# Altium PCB Carte_Alim_2020.PcbDoc (part 1 of 2) (continued)
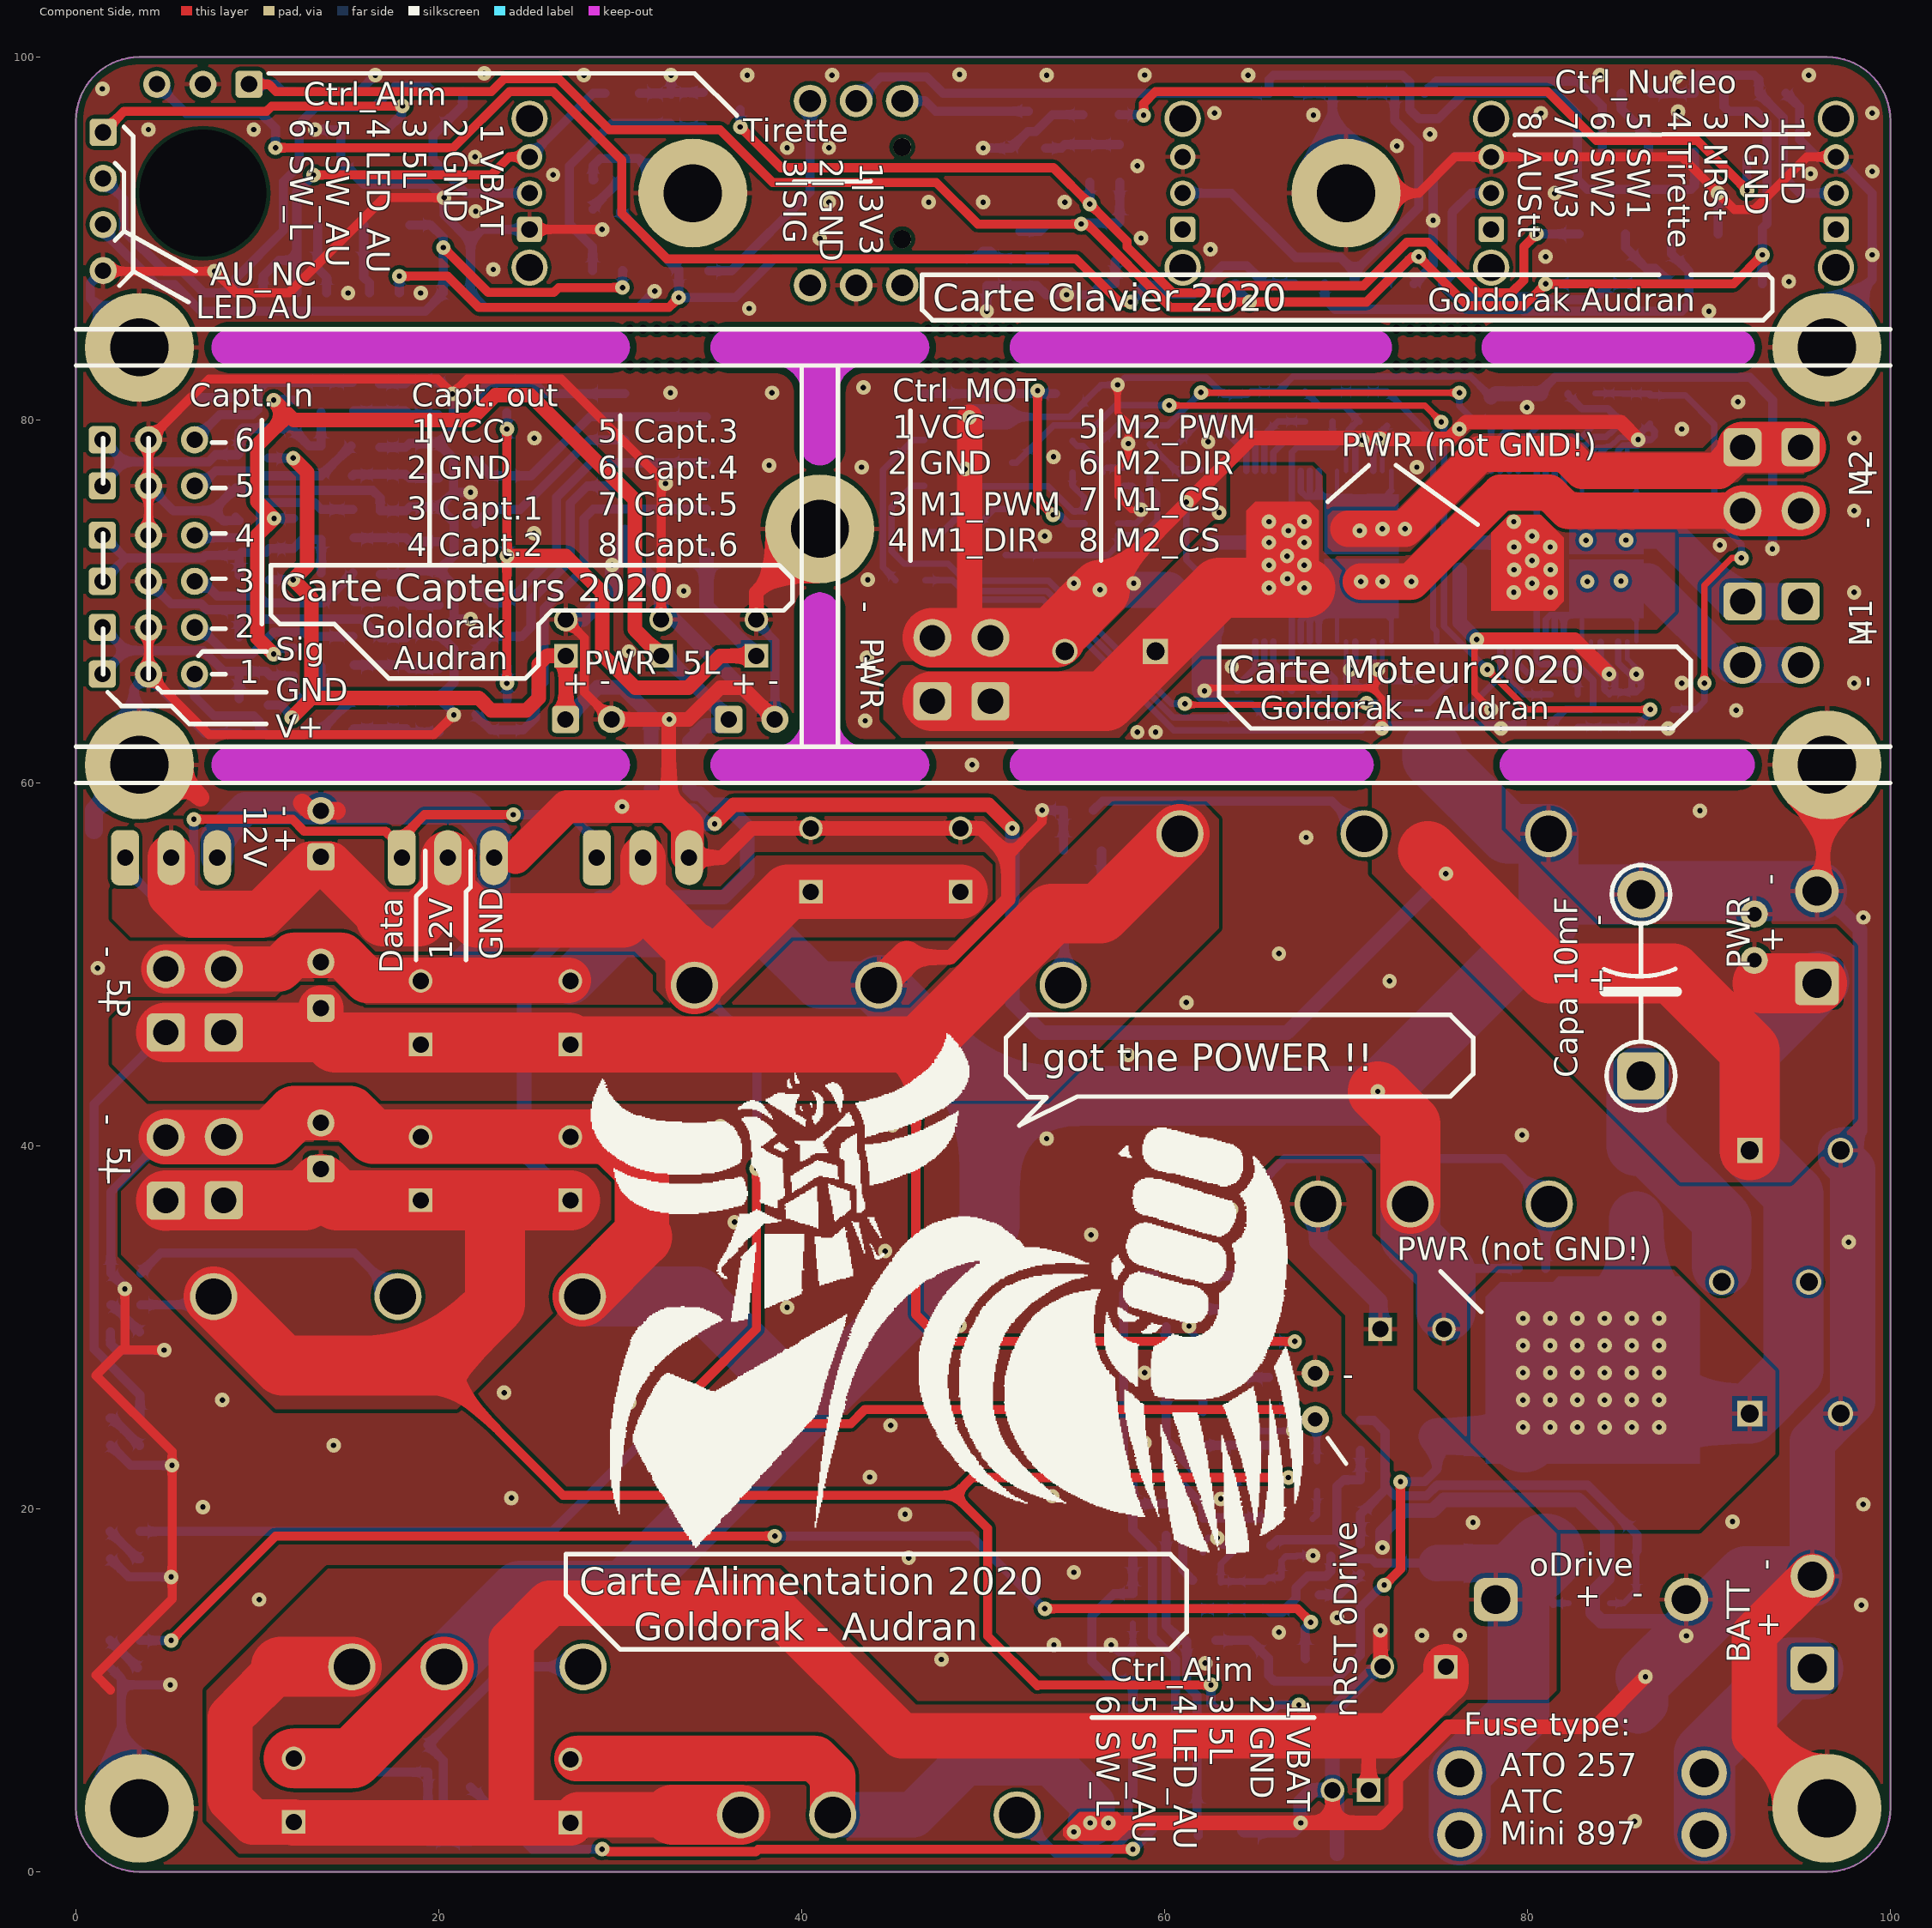
[diagram p0: Component Side view]
## Part data
C1 C23 C29 C30 C31 C35 C36 C37 C41 C42 C43 C51: library part "WCAP-CSGP, 885012207103", "CAP CER 1uF 50V X7R 0805", Manufacturer="Wurth Elektronik", Manufacturer Part Number=885012207103, RatedVoltage=50V, CeramicType=X7R, ComponentLink1Description=Manufacturer, ComponentLink1URL=http://www.we-online.de, ComponentLink2Description=Datasheet, ComponentLink2URL=http://katalog.we-online.com/pbs/datasheet/885012207103.pdf, PublishedDate="Aug 2016", Size=0805
  C43 C51: SUPPLIER 2=JLCPCB, SUPPLIER PART NUMBER 2=C28323
C2 C8 C12 C16: library part "WCAP-ATG8, 860010574011", "CAP Alu 220 UF 20% 35 V", Manufacturer="Wurth Elektronik", Manufacturer Part Number=860010574011, RatedVoltage=35V, ComponentLink1Description=Manufacturer, ComponentLink1URL=http://www.we-online.de, ComponentLink2Description=Datasheet, ComponentLink2URL=http://katalog.we-online.de/pbs/datasheet/860010574011.pdf, PublishedDate="July 2016", Size=8mmx11.5mm
C3 C26 C27 C28: library part "WCAP-ATG8, 860010672009", "CAP Alu 10 UF 20% 50 V", Manufacturer="Wurth Elektronik", Manufacturer Part Number=860010672009, RatedVoltage=50V, ComponentLink1Description=Manufacturer, ComponentLink1URL=http://www.we-online.de, ComponentLink2Description=Datasheet, ComponentLink2URL=http://katalog.we-online.de/pbs/datasheet/860010672009.pdf, PublishedDate="July 2016", Size=5mmx11mm
C4 C11 C15 C19 C21 C22 C32 C33 C34 C38 C39 C40 C44 C45 C46 C47 C48 C49 C50 C52: library part "WCAP-CSGP, 885012206095", "CAP CER 100nF 50V X7R 0603", Manufacturer="Wurth Elektronik", Manufacturer Part Number=885012206095, RatedVoltage=50V, CeramicType=X7R, ComponentLink1Description=Manufacturer, ComponentLink1URL=http://www.we-online.de, ComponentLink2Description=Datasheet, ComponentLink2URL=http://katalog.we-online.com/pbs/datasheet/885012206095.pdf, PublishedDate="Aug 2016", Size=0603
C5: library part "WCAP-ATG8, 860010483029", "CAP Alu 10'000 UF 25 V", Manufacturer="Wurth Elektronik", Manufacturer Part Number=860010483029, Rated Voltage="25 Vdc", ComponentLink1Description=Manufacturer, ComponentLink1URL=http://www.we-online.de, ComponentLink2Description=Datasheet, ComponentLink2URL=http://katalog.we-online.de/pbs/datasheet/860010483029.pdf, Published Date="Sep. 2017", Size=22x41mm
C6 C7 C20: library part "WCAP-ATG8, 860010575012", "CAP Alu 330 UF 20% 35 V", Manufacturer="Wurth Elektronik", Manufacturer Part Number=860010575012, RatedVoltage=35V, ComponentLink1Description=Manufacturer, ComponentLink1URL=http://www.we-online.de, ComponentLink2Description=Datasheet, ComponentLink2URL=http://katalog.we-online.de/pbs/datasheet/860010575012.pdf, PublishedDate="July 2016", Size=10mmx12.5mm
C9 C10 C13 C14 C17 C18: library part "WCAP-ATG8, 860010374012", "CAP Alu 470 UF 20% 16 V", Manufacturer="Wurth Elektronik", Manufacturer Part Number=860010374012, RatedVoltage=16V, ComponentLink1Description=Manufacturer, ComponentLink1URL=http://www.we-online.de, ComponentLink2Description=Datasheet, ComponentLink2URL=http://katalog.we-online.de/pbs/datasheet/860010374012.pdf, PublishedDate="July 2016", Size=8mmx11.5mm
C24 C25: library part "WCAP-CSGP, 885012205067", "CAP CER 10nF 50V X7R 0402", Manufacturer="Wurth Elektronik", Manufacturer Part Number=885012205067, RatedVoltage=50V, CeramicType=X7R, ComponentLink1Description=Manufacturer, ComponentLink1URL=http://www.we-online.de, ComponentLink2Description=Datasheet, ComponentLink2URL=http://katalog.we-online.com/pbs/datasheet/885012205067.pdf, PublishedDate="Aug 2016", Size=0402
D1 D3 D5 D7 D11: library part "WL-SMCW 0603  150060GS75000", "SMD mono-color Chip LED, WL-SMCW, Green", Color=Green, Manufacturer 1="Würth Elektronik eiSos GmbH", Manufacturer Part Number=150060GS75000, SUPPLIER PART NUMBER 1=2322070, ComponentLink1Description=Manufacturer, ComponentLink1URL=http://www.we-online.de, ComponentLink2Description=Datasheet, ComponentLink2URL=http://katalog.we-online.com/led/datasheet/150060GS75000.pdf, Created by="Christin Otto", Created Date="June 2013", SUPPLIER 1=Farnell
D2 D4 D6: "DIODE SCHOTTKY 40V 3A SOD123-FL", ContinuousForwardCurrent=3A, Manufacturer=ROHM, ReverseVoltage=40V, SUPPLIER PART NUMBER 1=2581593, ComponentLink1Description=Manufacturer, ComponentLink1URL=http://www.rohm.com/web/global/products/-/product/RBR3MM40ATF, ComponentLink2Description=Datasheet, ComponentLink2URL=http://www.farnell.com/datasheets/2067190.pdf, Manufacturer Part Number=RBR3MM40ATFTR, SUPPLIER 1=Farnell, Type=Schottky
D12: "DIODE SCHOTTKY 100V 5A SMA (DO-214AC)", ContinuousForwardCurrent="5A (Pk 50A)", Manufacturer=MULTICOMP, ReverseVoltage=100V, SUPPLIER PART NUMBER 1=2750942, ComponentLink1Description=Manufacturer, ComponentLink2Description=Datasheet, ComponentLink2URL=http://www.farnell.com/datasheets/2282884.pdf, Manufacturer Part Number=HTA5U100, SUPPLIER 1=Farnell, Type=Schottky
D13: library part RS3J_R6, "DIODE GEN PURP 600V 3A SMC", ContinuousForwardCurrent=3A, Manufacturer="TAIWAN SEMICONDUCTOR", ReverseVoltage=600V, SUPPLIER PART NUMBER 1=2677388, ComponentLink2Description=Datasheet, ComponentLink2URL=http://www.farnell.com/datasheets/2182655.pdf, Manufacturer Part Number="RS3J R6", SUPPLIER 1=Farnell, Type=Standard
D14: "WE-TVS TVS Diode 4+1Ch 5V SC70-6L", Manufacturer="Wurth Elektronik", SUPPLIER PART NUMBER 1=7546216, ComponentLink1Description=Datasheet, ComponentLink1URL=https://www.we-online.com/catalog/datasheet/82400274.pdf, Manufacturer Part Number=82400274, SUPPLIER 1=RSComponents, SUPPLIER 2=JLCPCB, SUPPLIER PART NUMBER 2=C85364, Type=TVS
DC1: "Traco 12.0V 60W 5A", Manufacturer=TRACOPOWER, SUPPLIER PART NUMBER 1=2451635, ComponentLink1Description=http://www.farnell.com/datasheets/2200542.pdf, ComponentLink1URL=http://www.farnell.com/datasheets/2200542.pdf, Manufacturer Part Number="TEN 60-2412WIN", Pricing="1=65.7, 5=63.73, 10=61.82, 25=59.97 (EUR)", SUPPLIER 1=Farnell
DC2: "Traco 5V-6V 30W 6A", Manufacturer=TRACOPOWER, SUPPLIER PART NUMBER 1=1951-3302-ND, ComponentLink1Description=datasheet, ComponentLink1URL=https://www.tracopower.com/products/thn30wi.pdf, Manufacturer Part Number=THN30-2411WI-A1, SUPPLIER 1=Digikey
DC3: library part THN15-2411WI, "Traco 5V 15W 3A", Manufacturer=TRACOPOWER, SUPPLIER PART NUMBER 1=1441226, ComponentLink1Description=http://www.farnell.com/datasheets/1866342.pdf, ComponentLink1URL=http://www.farnell.com/datasheets/1866342.pdf, Manufacturer Part Number=THN15-2411WI, Pricing="1=65.7, 5=63.73, 10=61.82, 25=59.97 (EUR)", SUPPLIER 1=Farnell
DT2: "WE-TVSP Power TVS Diode, Unidirectional, 1500 W, 24 VDC", Manufacturer="Wurth Electronics Inc.", SUPPLIER PART NUMBER 1=2536699, ComponentLink1Description=Datasheet, ComponentLink1URL=http://katalog.we-online.de/pbs/datasheet/824540241.pdf, Manufacturer Part Number=824540241, SUPPLIER 1=Farnell
F1: "FUSE Holder 500V 30A PCB", Manufacturer="Keystone Electronics", SUPPLIER PART NUMBER 1=2292904, ComponentLink1Description=Datasheet, ComponentLink1URL=http://www.keyelco.com/product-pdf.cfm?p=296, Courant nominal=30A, Manufacturer Part Number=3557-2, SUPPLIER 1=Farnell
FB7 FB8: library part "WE-CBF, 742792023", "Ferrite Bead 120ohm 0805 3A", Manufacturer="Wurth Elektronik", RatedCurrent=3A, SUPPLIER PART NUMBER 1=1635732, ComponentLink1Description=Manufacturer, ComponentLink1URL=https://www.we-online.com/catalog/en/WE-CBF/?sq=742792023#742792023, ComponentLink2Description=Datasheet, ComponentLink2URL=https://www.we-online.com/catalog/datasheet/742792023.pdf, Manufacturer Part Number=742792023, SUPPLIER 1=Farnell, SUPPLIER 2=JLCPCB, SUPPLIER PART NUMBER 2=C1015
J1 J2: "WR-TBL 2p Series 311 - 5.08 mm Closed Vertical PCB Header", Manufacturer="Wurth Electronics Inc.", SUPPLIER PART NUMBER 1=1641978, ComponentLink1Description=Datasheet, ComponentLink1URL=https://katalog.we-online.de/em/datasheet/6913115001xx.pdf, Manufacturer Part Number=691311500102, SUPPLIER 1=Farnell
J3 J26: "WR-MM 6p Female SMT Connector with Polarization", Manufacturer="Wurth Electronics Inc.", SUPPLIER PART NUMBER 1=1641849, ComponentLink1Description=Datasheet, ComponentLink1URL=http://katalog.we-online.de/em/datasheet/69036728xx76.pdf, Manufacturer Part Number=690367280676, SUPPLIER 1=Farnell
J4 J9 J11 J17 J18 J25 J28 J36 J37: Manufacturer 1=MOLEX, SUPPLIER PART NUMBER 1=9731075, ComponentLink1Description=http://www.farnell.com/cad/1533907.pdf, ComponentLink1URL=http://www.farnell.com/cad/1533907.pdf, ComponentLink2Description=http://www.farnell.com/datasheets/1791308.pdf, ComponentLink2URL=http://www.farnell.com/datasheets/1791308.pdf, Manufacturer Part Number=22-03-2021, Pricing="10=0.189, 100=0.147, 200=0.119, 500=0.108, 1000=0.088, 2500=0.08, 2500=0.0711, 20000=0.064 (EUR)", SUPPLIER 1=Farnell
J5 J6 J7: library part 20-03-5035, Manufacturer 1=MOLEX, SUPPLIER PART NUMBER 1=9979620, ComponentLink1Description=http://www.farnell.com/cad/495071.pdf, ComponentLink1URL=http://www.farnell.com/cad/495071.pdf, ComponentLink2Description=http://www.farnell.com/datasheets/1801024.pdf, ComponentLink2URL=http://www.farnell.com/datasheets/1801024.pdf, ComponentLink3Description=http://fr.farnell.com/jsp/level5/module.jsp?moduleId=fr/418942.xml, ComponentLink3URL=http://fr.farnell.com/jsp/level5/module.jsp?moduleId=fr/418942.xml, Manufacturer Part Number=22-03-5035, Pricing="10=0.153, 100=0.144, 250=0.118, 500=0.091, 1000=0.059, 2500=0.057, 2500=0.0441, 30000=0.0397 (EUR)", SUPPLIER 1=Farnell
J8 J10 J12 J13 J14: "WR-TBL 2p Series 3221 - 3.50 mm Horizontal PCB Header", Manufacturer="Wurth Electronics Inc.", SUPPLIER PART NUMBER 1=1841315, ComponentLink1Description=Datasheet, ComponentLink1URL=http://katalog.we-online.de/em/datasheet/6913221100xx.pdf, Manufacturer Part Number=691322110002, SUPPLIER 1=Farnell
J15 J16 J27: "WR-MM 8p Female SMT Connector with Polarization", Manufacturer="Wurth Electronics Inc.", SUPPLIER PART NUMBER 1=1641850, ComponentLink1Description=Datasheet, ComponentLink1URL=http://katalog.we-online.de/em/datasheet/69036728xx76.pdf, Manufacturer Part Number=690367280876, SUPPLIER 1=Farnell
J19 J20 J21 J22 J23 J24 J29: Manufacturer 1=MOLEX, SUPPLIER PART NUMBER 1=9731083, ComponentLink1Description=http://www.farnell.com/cad/1533907.pdf, ComponentLink1URL=http://www.farnell.com/cad/1533907.pdf, ComponentLink2Description=http://www.farnell.com/datasheets/1785732.pdf, ComponentLink2URL=http://www.farnell.com/datasheets/1785732.pdf, Manufacturer Part Number=22-03-2031, Pricing="10=0.27, 100=0.242, 200=0.22, 500=0.208, 1000=0.202, 2500=0.196 (EUR)", SUPPLIER 1=Farnell
J31 J32 J33 J34 J35: "WR-TBL 2p Series 3211 - 3.50 mm Vertical PCB Header", Manufacturer="Wurth Electronics Inc.", SUPPLIER PART NUMBER 1=1841308, ComponentLink1Description=Datasheet, ComponentLink1URL=https://katalog.we-online.de/em/datasheet/6913211000xx.pdf, Manufacturer Part Number=691321100002, SUPPLIER 1=Farnell
Q1: "MOSFET P 60V 120A D2PAK", Manufacturer=VISHAY, SUPPLIER PART NUMBER 1=2617099, ComponentLink1Description=Datasheet, ComponentLink1URL=http://www.vishay.com/docs/67026/sqm120p0.pdf, Manufacturer Part Number=SQM120P06-07L_GE3, SUPPLIER 1=Farnell
Q2 Q3 Q4 Q5 Q6 Q9 Q10 Q11 Q12 Q13 Q14 Q15 Q16 Q17 Q19: library part IRLML0040, "MOSFET N 40V 3.6A SOT23", Manufacturer="INTERNATIONAL RECTIFIER", SUPPLIER PART NUMBER 1=1831088, ComponentLink1Description=http://www.irf.com/product-info/datasheets/data/irlml0040pbf.pdf, ComponentLink1URL=http://www.irf.com/product-info/datasheets/data/irlml0040pbf.pdf, Manufacturer Part Number=IRLML0040TRPBF, SUPPLIER 1=Farnell
Q7 Q8: "IC MOTOR DRIVER PAR 36POWERSSO", Manufacturer=STMicroelectronics, SUPPLIER PART NUMBER 1=497-13075-6-ND, ComponentLink1Description=Datasheet, ComponentLink1URL=http://www.st.com/content/ccc/resource/technical/document/datasheet/ce/72/6c/f3/65/47/45/b3/CD00264619.pdf/files/CD00264619.pdf/jcr:content/translations/en.CD00264619.pdf, Manufacturer Part Number=VNH5180ATR-E, SUPPLIER 1=Digi-Key
Q18: "MOSFET N 60V 115MA SOT-23", Manufacturer="Changjiang Electronics Tech (CJ)", SUPPLIER PART NUMBER 1=1510761, ComponentLink1Description=Datasheet, ComponentLink1URL=https://datasheet.lcsc.com/szlcsc/1810151612_Changjiang-Electronics-Tech-CJ-2N7002_C8545.pdf, Manufacturer Part Number=2N7002, SUPPLIER 1=Farnell, SUPPLIER 2=JLCPCB, SUPPLIER PART NUMBER 2=C8545
R1 R3 R4 R5 R8 R13 R14 R15 R16 R20 R22 R23 R25 R26 R27 R28 R37 R38 R39 R40 R45 R47 R48 R51 R53 R54 R55 R56 R57 R58 R59 R60 R61 R62 R63 R64 R65 R66 R67 R68 R69 R70 R71 R72 R73 R74 R75 R76 R77 R78 R79 R80 R81 R88 R89 R102 R103 R104: "RES SMD 10K OHM 1% 1/10W 0603", Manufacturer=Yageo, POWER=100mW, SUPPLIER PART NUMBER 1=9238603, ComponentLink1Description=Manufacturer, ComponentLink1URL=http://www.yageo.com/NewPortal/_en/index.jsp, ComponentLink2Description=Datasheet, ComponentLink2URL=http://www.farnell.com/datasheets/2167052.pdf, Manufacturer Part Number=RC0603FR-0710KL, Precision=±1%, SUPPLIER 1=Farnell, Type="Thick Film", Vmax=50V
R2: library part Generic_TH_Vert_Res, "resistance traversante verticale générique", Manufacturer=MULTICOMP, Manufacturer Part Number=MCKNP02WJ0102A19, POWER=2W, SUPPLIER PART NUMBER 1=1903754, Precision=±5%, SUPPLIER 1=Farnell, Type="Through Hole"
R6 R18 R19: "RES SMD 2K7 OHM 1% 1/8W 0805", Manufacturer=Yageo, POWER=125mW, SUPPLIER PART NUMBER 1=9237666, ComponentLink1Description=Manufacturer, ComponentLink1URL=http://www.yageo.com/NewPortal/_en/index.jsp, ComponentLink2Description=Datasheet, ComponentLink2URL=http://www.farnell.com/datasheets/444164.pdf, Manufacturer Part Number=RC0805FR-072K7L, Precision=±1%, SUPPLIER 1=Farnell, Type="Thick Film", Vmax=50V
R7 R9 R10 R11 R12 R21 R24 R29 R31 R33 R34 R35 R36 R41 R42 R43 R44 R46 R52 R85 R86: "RES SMD 1K OHM 1% 1/10W 0603", Manufacturer=Yageo, POWER=100mW, SUPPLIER PART NUMBER 1=9238484, ComponentLink1Description=Manufacturer, ComponentLink1URL=http://www.yageo.com/NewPortal/_en/index.jsp, ComponentLink2Description=Datasheet, ComponentLink2URL=http://www.farnell.com/datasheets/2167052.pdf, Manufacturer Part Number=RC0603FR-071KL, Precision=±1%, SUPPLIER 1=Farnell, Type="Thick Film", Vmax=50V
R17 R49 R50: "RES SMD 1.8K OHM 1% 1/10W 0603", Manufacturer=Yageo, POWER=100mW, SUPPLIER PART NUMBER 1=9238514, ComponentLink1Description=Manufacturer, ComponentLink1URL=http://www.yageo.com/NewPortal/_en/index.jsp, ComponentLink2Description=Datasheet, ComponentLink2URL=http://www.farnell.com/datasheets/2167052.pdf, Manufacturer Part Number=RC0603FR-071K8L, Precision=±1%, SUPPLIER 1=Farnell, Type="Thick Film", Vmax=50V
R30 R32: "RES SMD 620 OHM 1% 1/16W 0402", Manufacturer=Yageo, POWER=63mW, SUPPLIER PART NUMBER 1=1458815, ComponentLink1Description=Manufacturer, ComponentLink1URL=http://www.yageo.com/NewPortal/_en/index.jsp, ComponentLink2Description=Datasheet, ComponentLink2URL=http://www.farnell.com/datasheets/2167052.pdf, Manufacturer Part Number=RC0402FR-07620RL, Precision=±1%, SUPPLIER 1=Farnell, Type="Thick Film", Vmax=50V
R82 R83 R84 R87 R90 R91: "RES SMD 68 OHM 1% 1/10W 0603", Manufacturer=Yageo, POWER=100mW, SUPPLIER PART NUMBER 1=9238344, ComponentLink1Description=Manufacturer, ComponentLink1URL=http://www.yageo.com/NewPortal/_en/index.jsp, ComponentLink2Description=Datasheet, ComponentLink2URL=http://www.farnell.com/datasheets/1868787.pdf, Manufacturer Part Number=RC0603FR-0768RL, Precision=±1%, SUPPLIER 1=Farnell, Type="Thick Film", Vmax=50V
R92 R93 R94 R95 R96 R97 R98 R99 R100 R101: "RES SMD 0 OHM 1% 1/10W 0603", Manufacturer=Yageo, POWER=100mW, SUPPLIER PART NUMBER 1=2309106, ComponentLink1Description=Manufacturer, ComponentLink1URL=http://www.yageo.com/NewPortal/_en/index.jsp, ComponentLink2Description=Datasheet, ComponentLink2URL=http://www.farnell.com/datasheets/2167052.pdf, Manufacturer Part Number=RC0603FR-070RL, Precision=±1%, SUPPLIER 1=Farnell, SUPPLIER 2=JLCPCB, SUPPLIER PART NUMBER 2=C21189, Type="Thick Film", Vmax=50V
S1 S2 S3 S5: "SWITCH SLIDE SPDT 0.1A 12V (500VDC max)", Manufacturer="C & K COMPONENTS", SUPPLIER PART NUMBER 1=1201430, ComponentLink1Description=manufacturer, ComponentLink1URL=https://www.ckswitches.com/products/switches/product-details/Slide/OS/OS102011MS2QN1/, ComponentLink2Description=datasheet, ComponentLink2URL=https://www.ckswitches.com/media/1428/os.pdf, Manufacturer Part Number=OS102011MS2QN1, SUPPLIER 1=Farnell
S4: "WS-TATL Illuminated THT Tact Switch, Green", Emitting Color=Green, Manufacturer="Wurth Elektronik", Rated Current=50mA, Rated Voltage=12VDC, SUPPLIER PART NUMBER 1=2402381, ComponentLink1Description=Manufacturer, ComponentLink1URL=https://www.we-online.com/catalog/en/TATL_12X12_THT/?sq=440GS67082622#440GS67082622, ComponentLink2Description=Datasheet, ComponentLink2URL=https://katalog.we-online.com/em/datasheet/440GS67082622.pdf, Manufacturer Part Number=440GS67082622, Operation Force=220gf, SUPPLIER 1=Farnell
U1: "LDO 3.3V 100mA SOT89", ContinuousForwardCurrent=100mA, Manufacturer=Holtek, SUPPLIER PART NUMBER 1=8850721, ComponentLink1Description=Datasheet, ComponentLink1URL=https://datasheet.lcsc.com/szlcsc/1812071811_Holtek-Semicon-HT7533-1_C14289.pdf, ComponentLink2Description=Manufacturer, ComponentLink2URL=https://www.holtek.com/productdetail/-/vg/75xx_1, Manufacturer Part Number=HT7533-1, SUPPLIER 1=RSComponents, SUPPLIER 2=JLCPCB, SUPPLIER PART NUMBER 2=C14289, Type=LDO
Z1: "DIODE ZENER 14.6V 300mW SOD323", Manufacturer="ON Semiconductor", SUPPLIER PART NUMBER 1=2533369, ComponentLink1Description=Datasheet, ComponentLink1URL=http://www.farnell.com/datasheets/2028649.pdf, Manufacturer Part Number=MM3Z15VST1G, SUPPLIER 1=Farnell

## Free pads (board coordinates)
  round 6 hole 3.2: 0(3.5,3.5) 0(3.5,61) 0(3.5,84) 0(34,92.5) 0(41,74) 0(70,92.5) 0(96.5,3.5) 0(96.5,61) 0(96.5,84)
  round 6 hole 7 unplated: 0(7,92.5)
  rrect50% 2.4x2.4 hole 1.6: 0(78.25,15)
  round 2.4 hole 1.6: 0(88.75,15)
  round 0 hole 0.5 unplated: 2(30.525,83) 2(30.525,85) 2(31.275,83) 2(31.275,85) 2(32.025,83) 2(32.025,85) 2(32.775,83) 2(32.775,85) 2(33.525,83) 2(33.525,85) 2(34.275,83) 2(34.275,85) 2(35.025,83) 2(35.025,85) 2(46.975,85) 2(46.975,83) 2(47.725,83) 2(47.725,85) 2(48.475,83) 2(48.475,85) 2(49.225,83) 2(49.225,85) 2(49.975,83) 2(49.975,85) 2(50.725,83) 2(50.725,85) 2(51.475,83) 2(51.475,85) 2(72.775,83) 2(72.775,85) 2(73.525,83) 2(73.525,85) 2(74.275,83) 2(74.275,85) 2(75.025,83) 2(75.025,85) 2(75.775,83) 2(75.775,85) 2(76.525,83) 2(76.525,85) 2(77.275,85) 2(77.275,83)

## Via types
v1: diameter 0.8, hole 0.3, Component Side to Solder Side, tented both sides, 312 vias

## Nets (pads, with @x,y where several pads share a name; then routed paths per layer and width w, separated by ;. In a path a pad name is that pad's centre, name@x,y a point inside that pad or via, vN(x,y) a via of type N, cw(c..) or ccw(c..) an arc to the next point about the centre after c; other vN are vias at no path point)
3L_CAP: C26.1 J16.1 R55.2 R56.2 R57.2 R67.2 R68.2 R69.2 | length 45.7
  Component Side w0.5: v1(23.75,65.5) v1(23.75,72.5) v1(23.75,79.5)
  Component Side w0.8: v1(23.75,72.5) 27,72.5 29,70.5 29,67.07 30.82,65.25 33.75,65.25 35.5,67 C26.1@37.5,67
  Solder Side w0.5: R57.2@23.75,78.575 v1(23.75,79.5) R69.2@23.75,80.405 ; R55.2@23.77,64.575 R67.2@23.77,66.425 ; R56.2@23.77,71.575 R68.2@23.77,73.425
  Solder Side w0.8: J16.1@34.75,72.555 34.75,69.75 C26.1@37.5,67
3L_CLAV: C41.2 C51.1 C52.1 J29.1 R79.2 R80.2 R81.2 R89.2 R104.2 U1.3 | length 121
  Component Side w0.5: J29.1@9.54,98.5 10.637,98.5 11.037,98.1 22.9,98.1 23.6,98.8 26.6,98.8 29.4,96 35.5,96 38.41,93.09 47.41,93.09 49.7,90.8 v1(55.4,90.8) 55.725,90.8 60.325,86.2 63.6,86.2 63.9,86.5 v1(64.675,86.5) 71.125,86.5 73.625,89 v1(74,89) 76.7,86.3 79.8,86.3 v1(81,87.5) 91.35,87.5 v1(92.95,89.1)
  Solder Side w0.5: J29.1@9.54,98.5 11,98.5 11.4,98.1 C52.1@12.05,98.1 ; U1.3@52.022,90.4 53.125,90.4 53.525,90.8 v1(55.4,90.8) ; v1@55.4,90.85 C51.1@57.475,90.85 ; C51.1@57.525,90.9 R104.2@57.525,93.1 ; R89.2@63.925,87.5 R89.2@63.875,87.5 64.05,87.325 64.05,87.125 v1(64.675,86.5) ; R81.2@72.125,87.5 73.625,89 v1(74,89) ; v1(81,87.5) R80.2@82.675,87.5 ; R79.2@90.825,98 90.825,97.275 91.1,97 92.6,97 93.2,96.4 93.2,90.825 92.95,90.575 v1(92.95,89.1) C41.2@92.95,87.5
3L_M: C23.2 D14.5 J15.1 | length 16.6
  Component Side w0.5: v1(53,81.62) 53,75.625 v1(53.85,74.775)
  Solder Side w0.4: v1(53.85,74.775) 54.225,74.775 54.7,74.3 D14.5@55.575,74.3
  Solder Side w0.5: J15.1@46.75,81.445 v1@53.175,81.445 ; v1(53,81.62) v1@53.175,81.445 ; C23.2@53.973,81.445 v1@53.175,81.445
5L: C17.1 C18.1 DC3.3 FB8.1 J3.3 J10.1 J11.1 J26.3 J32.1 R12.2 R24.1 R99.1 | length 166.6
  Component Side w0.5: 19.7,27.9 26.85,20.75 48.425,20.75 ; v1(62.552,10.3) 53.05,10.3 53,10.25 50.25,13 50.25,18.925 48.425,20.75 ; v1(66.825,21.725) 49.4,21.725 48.425,20.75
  Component Side w3.3: J32.1@4.95,36.98 4.97,37 J10.1@8.15,37 12.6,37 13.5,37.9 14.4,37 C18.1@19,37 C17.1@27.25,37 ; DC3.3@7.59,31.7 11.39,27.9 19.7,27.9 23.1,31.3 23.1,36.9
  Solder Side w0.5: R24.1@3.575,31.25 DC3.3@7.14,31.25 ; J26.3@15.865,90.75 15.865,87.858 16.175,87.548 R99.1@16.175,87 ; v1(62.552,10.3) 62.552,9.248 63.135,8.665 J3.3@63.135,6.8 ; R12.2@65.85,21.725 v1(66.825,21.725)
  Solder Side w0.8: C17.1@27.25,37 24.7,39.55 24.7,49.5 28.9,53.7 35.7,53.7 37,55 37,57.6 35.8,58.8 35.006,58.8 34.406,59.4 34.1,59.4 FB8.1@33.8,59.7
5L_CAP: C28.1 FB8.2 J18.1 R92.1 R94.1 R96.1 | length 58.8
  Component Side w0.8: v1(10.9,67.1) 10.007,67.993 10.007,73.657 v1(10.925,74.575) 9.989,75.511 9.989,78.595 11.697,80.303 ; v1(10.9,81.1) 11.697,80.303 ; C28.1@32.25,67 30.8,68.45 30.8,75.6 25.032,81.368 23.118,81.368 21.75,80 12,80 11.697,80.303
  Solder Side w0.5: v1(10.9,67.1) 11.225,67.425 R92.1@12,67.425 ; v1(10.9,81.1) R96.1@11.975,81.1 ; v1(10.925,74.575) R94.1@12,74.575
  Solder Side w0.8: C28.1@32.25,67 32.48,67 J18.1@35.98,63.5 35.63,63.15 34.65,63.15 FB8.2@33.8,62.3
5L_CLAV: C43.1 R85.1 R86.1 R99.2 U1.2 | length 43.4
  Component Side w0.5: v1(17.825,87.925) 20.475,87.925 22.2,86.2 32.675,86.2 v1(33.225,86.75)
  Solder Side w0.5: R99.2@17.825,87 v1(17.825,87.925) ; R86.1@30.013,91.438 33,88.45 33.05,88.45 33.225,88.275 R85.1@33.225,88.225 v1(33.225,86.75) 36.35,86.75 38.475,88.875 49.575,88.875 50,89.3 C43.1@50.2,89.3 50.4,89.3 50.8,88.9 U1.2@52.022,88.9 ; R86.1@30.025,91.5 R86.1@30.075,91.5
5L_EN: C19.2 D6.2 DC3.6 R26.2 | length 19
  Solder Side w0.5: R26.2@19.4,1.665 19.41,1.675 21.75,1.675 21.75,2.398 20.25,3.898 20.25,6.14 C19.2@19.4,6.99 23.71,11.3 DC3.6@27.95,11.3
5P: C13.1 C14.1 DC2.3 J8.1 J9.1 J31.1 R10.2 R21.1 | length 122.4
  Component Side w0.5: 46.29,45.312 46.29,30.71 47.775,29.225 v1(67.175,29.225)
  Component Side w2.5: 13.5,46.5 J9.1@13.5,47.59
  Component Side w3.1: C14.1@27.25,45.59 46.29,45.59
  Component Side w3.3: J31.1@4.95,46.25 J8.1@8.15,46.25 13.5,46.25 ; 14.3,45.7 C14.1@27.14,45.7 ; 46.29,45.312 53.778,52.8 56.44,52.8 DC2.3@60.84,57.2
  Solder Side w0.5: R21.1@3.535,25 3.535,26.265 1,28.8 1,42.3 J31.1@4.95,46.25 ; R10.2@65.85,29.225 v1(67.175,29.225)
5P_EN: C15.2 D4.2 DC2.6 R23.2 | length 28.2
  Solder Side w0.5: D4.2@62.525,32.85 R23.2@64.35,32.85 64.35,34.05 65.175,34.875 65.175,37.85 66.625,39.3 78.7,39.3 DC2.6@81.2,36.8 ; C15.2@81,33.25 DC2.6@81,36.6
12V: C9.1 C10.1 DC1.4 J4.1 J5.2 J6.2 J7.2 R11.2 R17.2 | length 153.8
  Component Side w0.5: v1(37.52,38.75) 37.5,38.73 37.5,29.91 v1(34.09,26.5) 35.89,24.7 42.7,24.7 43.475,25.475 v1(67.1,25.475)
  Component Side w2.5: 31.25,53.55 J6.2@31.25,55.885
  Component Side w2.6: J5.2@5.25,55.885 5.25,53.85 6.339,52.761 10.23,52.761 12.954,55.485 13.945,55.485 16.93,52.5
  Component Side w2.9: 18.9,52.5 20.478,54.062
  Component Side w3: 16.93,52.5 18.9,52.5 ; 20.478,54.062 22.113,52.427 30.127,52.427 31.25,53.55 34.09,50.71 ; 20.5,54.1 J7.2@20.5,55.885 ; DC1.4@34.09,48.867 39.223,54 C10.1@48.75,54
  Component Side w3.2: DC1.4@34.09,48.867 34.09,50.71
  Solder Side w0.5: R17.2@3.535,18.75 26.25,18.75 34.09,26.59 v1(34.09,26.5) ; DC1.4@34.09,48.86 37.52,45.43 v1(37.52,38.75) ; R11.2@65.85,25.475 v1(67.1,25.475)
12V_EN: C11.2 D2.2 DC1.3 R20.2 | length 25.8
  Solder Side w0.5: DC1.3@51.87,3.14 53.989,1.021 56.915,1.021 58,2.106 58,4 58.25,4.25 C11.2@58.25,10.55 57.05,10.55 56,11.6 56,14.1 57.225,15.325 R20.2@58.25,15.325 D2.2@58.25,17.225
ALIM_AU: J25.2 R100.2 R101.2 | length 30
  Solder Side w0.5: J25.2@1.5,93.31 2.627,92.183 2.627,90.473 4.9,88.2 5.846,88.2 7.046,87 R100.2@8.675,87 8.818,87.143 8.818,87.818 11.44,90.44 11.44,93.14 12.3,94 12.3,96.32 13.23,97.25 16.45,97.25 17.6,98.4 19.375,98.4 R101.2@19.675,98.1
AU_STATUS: J27.8 Q19.3 R104.1 | length 57.1
  Component Side w0.5: v1(36.616,96.147) 38.864,93.9 53.875,93.9 v1(55.875,91.9) 57.923,89.852 57.923,89.53 60.453,87 63.2,87 63.6,87.4 70.956,87.4 73.356,89.8 74.5,89.8 77.3,87 79.1,87 79.8,87.7 79.8,89.55 v1(80.5,90.25)
  Solder Side w0.5: v1(36.616,96.147) Q19.3@36.616,97.113 ; v1(55.875,91.9) R104.1@55.875,93.1 ; v1(80.5,90.25) J27.8@82.855,90.25
BATT_P: F1.1 F1.3 J1.1 | length 12.2
  Solder Side w3.4: F1.3@89.75,2.175 89.75,6.5 94.46,11.21 J1.1@95.7,11.21
CAP_#A: C29.2 C35.2 J19.1 J22.1 R58.2 R70.2 R92.2 R93.2 | length 19.4
  Solder Side w0.5: J19.1@1.46,66 2.76,67.3 ; J22.1@1.46,68.57 1.49,68.57 2.76,67.3 ; C29.2@9,64.65 C35.2@9,66.15 ; R70.2@13.52,66.425 R58.2@13.52,64.575 12.425,64.575 12,65 12,65.9 10.725,65.9 R93.2@10.6,66.025 10.475,66.15 C35.2@9,66.15 ; 2.76,67.3 7,67.3 8.15,66.15 C35.2@9,66.15
CAP_#B: C30.2 C36.2 J20.1 J23.1 R59.2 R71.2 R94.2 R95.2 | length 17.7
  Solder Side w0.5: J20.1@1.46,71.11 2.75,72.4 7.015,72.4 7.165,72.55 C36.2@9,72.55 ; J23.1@1.46,73.65 2.71,72.4 ; C30.2@9,71.45 C36.2@9,72.55 ; R95.2@10.65,72.865 10.485,72.7 9.15,72.7 C36.2@9,72.55 ; R95.2@10.65,72.925 R94.2@12,72.925 12.5,73.425 R71.2@13.52,73.425 R59.2@13.52,71.575
CAP_#C: C31.2 C37.2 J21.1 J24.1 R60.2 R72.2 R96.2 R97.2 | length 18.1
  Solder Side w0.5: J21.1@1.46,76.37 1.46,76.489 2.67,77.7 ; J24.1@1.46,78.91 2.67,77.7 ; R72.2@13.52,80.425 R60.2@13.52,78.575 12.85,78.575 11.875,79.55 9.2,79.55 C37.2@9,79.35 C31.2@9,78.15 8.934,78.084 7.7,78.084 7.315,77.7 2.67,77.7
CAPTTOR_1: J16.3 Q11.3 R55.1 | length 23
  Solder Side w0.5: Q11.3@22.036,63.763 22.874,62.925 R55.1@23.77,62.925 24.649,62.925 25.341,63.617 25.341,65.091 25.8,65.55 25.8,69.6 28,71.8 28,74.575 28.52,75.095 J16.3@34.75,75.095
CAPTTOR_2: J16.4 Q14.3 R67.1 | length 14.7
  Solder Side w0.5: Q14.3@22.036,67.263 22.848,68.075 R67.1@23.77,68.075 24.575,68.075 25.084,68.584 25.084,70.084 27.25,72.25 27.25,75.42 28.195,76.365 J16.4@30.25,76.365
CAPTTOR_3: J16.5 Q12.3 R56.1 | length 18.1
  Solder Side w0.5: Q12.3@22.036,70.763 22.874,69.925 R56.1@23.77,69.925 26.5,72.655 26.5,75.75 28.385,77.635 J16.5@34.75,77.635
CAPTTOR_4: J16.6 Q15.3 R68.1 | length 10.1
  Solder Side w0.5: Q15.3@22.036,74.263 22.848,75.075 R68.1@23.77,75.075 24.475,75.075 28.305,78.905 J16.6@30.25,78.905
CAPTTOR_5: J16.7 Q13.3 R57.1 | length 14.4
  Solder Side w0.5: Q13.3@22.016,77.763 22.854,76.925 R57.1@23.75,76.925 25.084,76.925 28.334,80.175 J16.7@34.75,80.175
CAPTTOR_6: J16.8 Q16.3 R69.1 | length 8.9
  Solder Side w0.5: Q16.3@21.996,81.263 22.808,82.075 R69.1@23.73,82.075 25.225,82.075 25.855,81.445 J16.8@30.25,81.445
DNMXL_DATA: J5.1 J6.1 J7.1 | length 35.2
  Component Side w0.5: v1(6.5,58) 11.92,58 12.577,57.343 17.06,57.343 17.96,56.443 17.96,57 19.21,58.25 v1(24.104,58.25)
  Solder Side w0.5: J5.1@2.71,55.885 2.71,55.29 4.25,53.75 5.79,53.75 6.5,54.46 v1(6.5,58) ; v1(24.104,58.25) 27.25,58.25 28.71,56.79 J6.1@28.71,55.885 J6.1@28.71,55.01